# Altium PCB Spectre.PcbDoc (part 1 of 2) (continued)
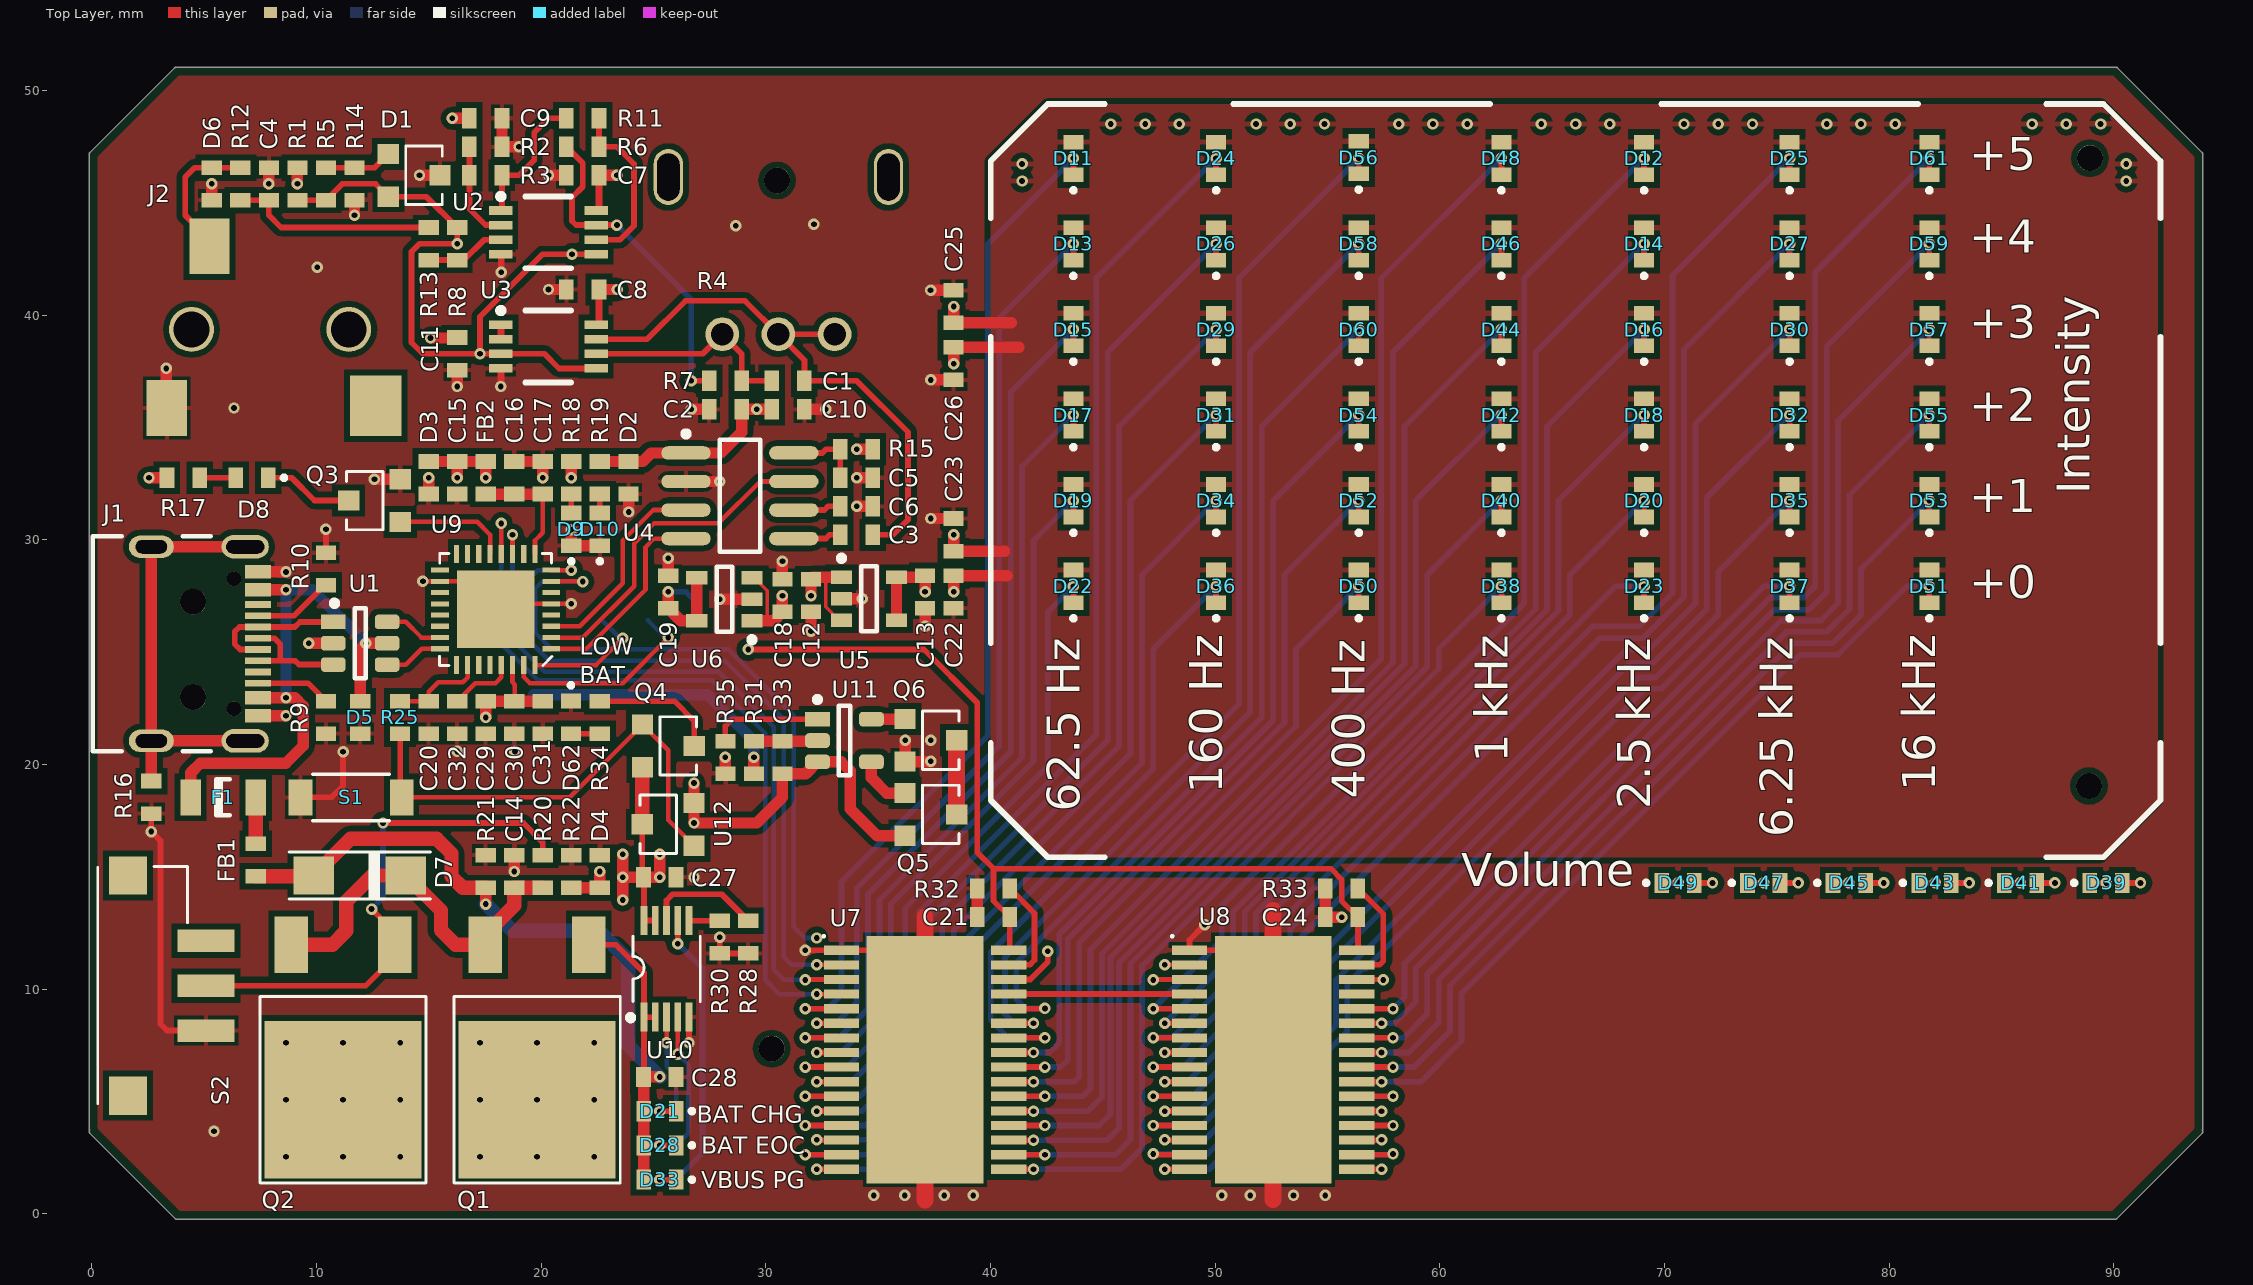
[diagram p0: Top Layer view]
## Components (designator, comment, footprint, x,y, rotation, side; value= is the part's Value field where it differs from the comment)
C1 "5p" 0603 30.988,37.084 r180 top
C2 "0.1u" 0603 28.194,35.814 r180 top
C3 "0.1u" 0603 34.036,30.226 r0 top
C4 "150p" 0603 7.874,45.847 r270 top
C5 "33p" 0603 34.036,32.766 r0 top
C6 "0.1u" 0603 34.036,31.496 r0 top
C7 "0.1u" 0603 21.844,46.228 r0 top
C8 "0.1u" 0603 21.844,41.148 r0 top
C9 "1u" 0603 17.526,48.768 r180 top
C10 "1u" 0603 30.988,35.814 r180 top
C11 "22u" 0603 16.256,38.283 r90 top
C12 "4.7u" 0603 32.004,27.519 r90 top
C13 "4.7u" 0603 37.084,27.686 r90 top
C14 "4.7u" 0603 18.796,15.24 r270 top
C15 "22u" 0603 16.256,32.766 r90 top
C16 "10u" 0603 18.796,32.766 r270 top
C17 "0.1u" 0603 20.066,32.766 r270 top
C18 "4.7u" 0603 30.734,27.519 r270 top
C19 "4.7u" 0603 25.654,27.686 r270 top
C20 "0.1u" 0603 14.986,22.098 r90 top
C21 "0.1u" 0603 40.132,13.208 r0 top
C22 "22u" 0603 38.354,27.686 r90 top
C23 "22u" 0603 38.354,30.226 r270 top
C24 "0.1u" 0603 55.626,13.208 r0 top
C25 "22u" 0603 38.354,40.386 r270 top
C26 "22u" 0603 38.354,37.846 r90 top
C27 "4.7u" 0603 25.273,14.986 r180 top
C28 "4.7u" 0603 25.273,6.096 r180 top
C29 "10u" 0603 17.526,22.098 r90 top
C30 "0.1u" 0603 18.796,22.098 r90 top
C31 "0.1u" 0603 20.066,22.098 r90 top
C32 "1u" 0603 16.256,22.098 r90 top
C33 "0.1u" 0603 30.734,20.32 r90 top
D1 "TLV431AQFTA" SOT-23-3#1 12.539,47.944 r270 top
D2 "RF1256" 0603 23.876,32.766 r90 top
D3 "RF1256" 0603 14.986,32.766 r90 top
D4 "RF1256" 0603 22.606,15.24 r270 top
D5 "RF1256" 0603 11.938,22.098 r90 top
D6 "RF1256" 0603 5.334,45.847 r90 top
D7 "DIODE_SCHOTTKY" SMA 11.938,15.06 r0 top
D8 "RED-LED" "0603 LED" 7.112,32.766 r0 top
D9 "GREEN-LED" "0603 LED" 21.336,30.48 r270 top
D10 "GREEN-LED" "0603 LED" 22.606,30.48 r270 top
D11 "RED-LED" "0603 LED" 43.688,46.99 r270 top
D12 "RED-LED" "0603 LED" 69.088,46.99 r270 top
D13 "ORANGE-LED" "0603 LED" 43.688,43.18 r270 top
D14 "ORANGE-LED" "0603 LED" 69.088,43.18 r270 top
D15 "YELLOW-LED" "0603 LED" 43.688,39.37 r270 top
D16 "YELLOW-LED" "0603 LED" 69.088,39.37 r270 top
D17 "YELLOW-LED" "0603 LED" 43.688,35.56 r270 top
D18 "YELLOW-LED" "0603 LED" 69.088,35.56 r270 top
D19 "GREEN-LED" "0603 LED" 43.688,31.75 r270 top
D20 "GREEN-LED" "0603 LED" 69.088,31.75 r270 top
D21 "ORANGE-LED" "0603 LED" 25.273,4.572 r0 top
D22 "GREEN-LED" "0603 LED" 43.688,27.94 r270 top
D23 "GREEN-LED" "0603 LED" 69.088,27.94 r270 top
D24 "RED-LED" "0603 LED" 50.038,46.99 r270 top
D25 "RED-LED" "0603 LED" 75.565,46.99 r270 top
D26 "ORANGE-LED" "0603 LED" 50.038,43.18 r270 top
D27 "ORANGE-LED" "0603 LED" 75.565,43.18 r270 top
D28 "GREEN-LED" "0603 LED" 25.273,3.048 r0 top
D29 "YELLOW-LED" "0603 LED" 50.038,39.37 r270 top
D30 "YELLOW-LED" "0603 LED" 75.565,39.37 r270 top
D31 "YELLOW-LED" "0603 LED" 50.038,35.56 r270 top
D32 "YELLOW-LED" "0603 LED" 75.565,35.56 r270 top
D33 "RED-LED" "0603 LED" 25.273,1.524 r0 top
D34 "GREEN-LED" "0603 LED" 50.038,31.75 r270 top
D35 "GREEN-LED" "0603 LED" 75.565,31.75 r270 top
D36 "GREEN-LED" "0603 LED" 50.038,27.94 r270 top
D37 "GREEN-LED" "0603 LED" 75.565,27.94 r270 top
D38 "GREEN-LED" "0603 LED" 62.738,27.94 r270 top
D39 "RED-LED" "0603 LED" 89.662,14.732 r180 top
D40 "GREEN-LED" "0603 LED" 62.738,31.75 r270 top
D41 "ORANGE-LED" "0603 LED" 85.852,14.732 r180 top
D42 "YELLOW-LED" "0603 LED" 62.738,35.56 r270 top
D43 "YELLOW-LED" "0603 LED" 82.042,14.732 r180 top
D44 "YELLOW-LED" "0603 LED" 62.738,39.37 r270 top
D45 "YELLOW-LED" "0603 LED" 78.232,14.732 r180 top
D46 "ORANGE-LED" "0603 LED" 62.738,43.18 r270 top
D47 "GREEN-LED" "0603 LED" 74.422,14.732 r180 top
D48 "RED-LED" "0603 LED" 62.738,46.99 r270 top
D49 "GREEN-LED" "0603 LED" 70.612,14.732 r180 top
D50 "GREEN-LED" "0603 LED" 56.388,27.94 r270 top
D51 "GREEN-LED" "0603 LED" 81.788,27.94 r270 top
D52 "GREEN-LED" "0603 LED" 56.388,31.75 r270 top
D53 "GREEN-LED" "0603 LED" 81.788,31.75 r270 top
D54 "YELLOW-LED" "0603 LED" 56.388,35.56 r270 top
D55 "YELLOW-LED" "0603 LED" 81.788,35.56 r270 top
D56 "RED-LED" "0603 LED" 56.388,47.027 r270 top
D57 "YELLOW-LED" "0603 LED" 81.788,39.37 r270 top
D58 "ORANGE-LED" "0603 LED" 56.388,43.18 r270 top
D59 "ORANGE-LED" "0603 LED" 81.788,43.18 r270 top
D60 "YELLOW-LED" "0603 LED" 56.388,39.37 r270 top
D61 "RED-LED" "0603 LED" 81.788,46.99 r270 top
D62 "ORANGE-LED" "0603 LED" 21.32,22.098 r90 top
F1 "FUSE" 1206 5.842,18.542 r0 top
FB1 "Ferrite_Bead" 0603 7.292,15.748 r270 top
FB2 "Ferrite_Bead" 0603 17.526,32.766 r270 top
J1 "USB4105-GF-A" USB4105-GF-A 4.064,25.4 r270 top
J2 "Phonejack3" STX-3500-3NTR 11.43,39.37 r90 top
J3 "JST-PH-SMT" JST-PH-SMT 22.987,21.59 r0 bottom
Q1 "PFET" TO-252-3 19.812,5.08 r180 top
Q2 "PFET" TO-252-3 11.176,5.08 r180 top
Q3 "MOSFET_N" SOT-23 12.573,31.75 r90 top
Q4 "PFET" SOT-23 25.654,20.828 r270 top
Q5 "MOSFET_N" SOT-23 37.338,17.78 r270 top
Q6 "MOSFET_N" SOT-23 37.338,21.082 r270 top
R1 "10k" 0603 9.144,45.847 r270 top
R2 "10k" 0603 17.526,47.498 r0 top
R3 "10k" 0603 17.526,46.228 r180 top
R4 "10k" "ALPS 9mm" 30.554,46.153 r0 top
R5 "10k" 0603 10.414,45.847 r90 top
R6 "10k" 0603 21.844,47.498 r0 top
R7 "2.7k" 0603 28.194,37.084 r180 top
R8 "10k" 0603 16.256,43.18 r90 top
R9 "5.1k" 0603 10.414,22.098 r90 top
R10 "5.1k" 0603 10.414,28.702 r270 top
R11 "10k" 0603 21.844,48.768 r180 top
R12 "330" 0603 6.604,45.847 r90 top
R13 "10k" 0603 14.986,43.18 r90 top
R14 "10k" 0603 11.684,45.847 r270 top
R15 "200k" 0603 34.036,34.036 r0 top
R16 "0" 0603 2.642,18.542 r90 top
R17 "330" 0603 4.064,32.766 r180 top
R18 "330" 0603 21.336,32.766 r90 top
R19 "330" 0603 22.606,32.766 r90 top
R20 "100k" 0603 20.066,15.24 r270 top
R21 "100k" 0603 17.526,15.24 r270 top
R22 "10k" 0603 21.336,15.24 r270 top
R25 "330" 0603 13.716,22.098 r270 top
R26 "330" 0603 25.273,4.572 r180 bottom
R27 "330" 0603 25.273,3.048 r180 bottom
R28 "10k" 0603 29.21,12.319 r270 top
R29 "330" 0603 25.273,1.524 r180 bottom
R30 "2k" 0603 27.94,12.319 r270 top
R31 "330" 0603 29.464,20.32 r270 top
R32 "10k" 0603 40.132,14.478 r0 top
R33 "10k" 0603 55.626,14.478 r0 top
R34 "330" 0603 22.606,22.098 r90 top
R35 "2.7k" 0603 28.194,20.32 r270 top
S1 "GT-TC029B-H025-L1N" GT-TC029B-H025-L1N 11.532,18.542 r0 top
S2 "SS312SAH4-R" SW_SS312SAH4-R 3.555,10.16 r0 top
U1 "USBLC6" SOT-23-6_N 11.938,25.4 r0 top
U2 "AD8072" MSOP-8 20.32,43.688 r270 top
U3 "AD8072" MSOP-8 20.32,38.608 r270 top
U4 "MSGEQ7" MSGEQ7 24.842,28.985 r0 top
U5 "ADP7142AUJZ-3.3-R7" TSOT-23-5 32.512,25.781 r0 top
U6 "ADP7142AUJZ-3.3-R7" TSOT-23-5 30.226,28.956 r180 top
U7 "TLC5947DAPRG4" *SOP65P810X120-32N 37.084,6.858 r0 top
U8 "TLC5947DAPRG4" *SOP65P810X120-32N 52.578,6.858 r0 top
U9 "ATSAMD21E18" "QFN-32 Handsolder" 17.921,26.906 r180 top
U10 "MCP73833T-AMI/MF" MSOP-10 25.575,10.908 r0 top
U11 "AP9101CAK-AKTRG1" SOT-23-5 33.528,21.045 r0 top
U12 "SSP61CC3502MR" SOT-23-3#2 25.4,17.272 r90 top

## Footprints (in the part's own frame and the unit in brackets; to place one, negate y for a bottom-side part, rotate by r counter-clockwise, add the part's x,y. Pads: shape width x height; smd on the part's side, far side on the other; paste and mask are expansions set on the pad)
0603 [mm] "Chip Capacitor; Body 1.6 x 0.8 mm (LxW typ)"
  rect 0.65x0.9 smd mask+0.038: 1(-0.725,0) 2(0.725,0)
  body extent -0.8,-0.4 0.8,0.4, height 0.95
"0603 LED" [mm]
  rect 0.65x0.9 smd mask+0.038: 1(-0.718,0) 2(0.732,0)
  silkscreen extent 1.37,-0.06 1.49,0.06
1206 [mm] "0.126\" L x 0.064\" W x 0.033\" H (3.20mm x 1.63mm x 0.84mm)"
  rect 0.9x1.6 smd mask+0.038: 1(-1.45,0) 2(1.45,0)
  silkscreen extent -0.3,-0.8 0.3,0.8, body extent -1.55,-0.77 1.55,0.77, height 0.84
*SOP65P810X120-32N [mm]
  rect 1.57x0.41 smd: 1(-3.72,4.875) 2(-3.72,4.225) 3(-3.72,3.575) 4(-3.72,2.925) 5(-3.72,2.275) 6(-3.72,1.625) 7(-3.72,0.975) 8(-3.72,0.325) 9(-3.72,-0.325) 10(-3.72,-0.975) 11(-3.72,-1.625) 12(-3.72,-2.275) 13(-3.72,-2.925) 14(-3.72,-3.575) 15(-3.72,-4.225) 16(-3.72,-4.875) 17(3.72,-4.875) 18(3.72,-4.225) 19(3.72,-3.575) 20(3.72,-2.925) 21(3.72,-2.275) 22(3.72,-1.625) 23(3.72,-0.975) 24(3.72,-0.325) 25(3.72,0.325) 26(3.72,0.975) 27(3.72,1.625) 28(3.72,2.275) 29(3.72,2.925) 30(3.72,3.575) 31(3.72,4.225) 32(3.72,4.875)
  rect 5.2x11 smd: 33(0,0)
  silkscreen extent -4.55,5.45 -4.45,5.55
"ALPS 9mm" [mm]
  round 1.5 hole 1: 1(-2.5,-7) 2(0,-7) 3(2.5,-7)
  oval 1.3x2.5 hole 1 slot 2.1 at 90 deg: ""(-4.9,0) ""(4.9,0)
GT-TC029B-H025-L1N [mm]
  rect 1.05x1.6 smd mask+0.064: 1(-2.25,0)
  rect 1.05x1.6 smd mask+0.038: 2(2.25,0)
  silkscreen extent -1.7,-1.05 1.7,1.02
JST-PH-SMT [mm]
  rect 1x5 smd: 1(0.5,2.5) 2(2.5,2.5)
  silkscreen extent -1.5,0.5 4.5,1.5
MSGEQ7 [mm]
  oval 2.2x0.6 smd mask+0.038: 1(1.6,4.885) 2(1.6,3.615) 3(1.6,2.345) 4(1.6,1.075) 5(6.4,1.075) 6(6.4,2.345) 7(6.4,3.615) 8(6.4,4.885)
  silkscreen extent 1.48,0.48 4.9,5.86, body extent 1.05,0.53 7.05,5.43, height 1.75
MSOP-8 [mm]
  rect 0.38x1.04 smd mask+0.038: 1(-0.975,-2.12) 2(-0.325,-2.12) 3(0.325,-2.12) 4(0.975,-2.12) 5(0.975,2.12) 6(0.325,2.12) 7(-0.325,2.12) 8(-0.975,2.12)
  silkscreen extent -1.72,-2.24 1.6,1, body extent -1.55,-2.47 1.55,2.47, height 1.09
MSOP-10 [mm]
  rect 0.3x1.3 smd mask+0.038: 1(-1,-2.15) 2(-0.5,-2.15) 3(0,-2.15) 4(0.5,-2.15) 5(1,-2.15) 6(1,2.15) 7(0.5,2.15) 8(0,2.15) 9(-0.5,2.15) 10(-1,2.15)
  silkscreen extent -1.72,-2.3 1.5,1.45, body extent -1.55,-2.49 1.55,2.57, height 1.09
"QFN-32 Handsolder" [mm]
  rect 0.8x0.23 smd paste+0.038 mask+0.038: 1(-2.523,1.752) 2(-2.523,1.252) 3(-2.523,0.752) 4(-2.523,0.252) 5(-2.523,-0.248) 6(-2.523,-0.748) 7(-2.523,-1.248) 8(-2.523,-1.748) 17(2.427,-1.748) 18(2.427,-1.248) 19(2.427,-0.748) 20(2.427,-0.248) 21(2.427,0.252) 22(2.427,0.752) 23(2.427,1.252) 24(2.427,1.752)
  rect 0.23x0.8 smd paste+0.038 mask+0.038: 9(-1.798,-2.473) 10(-1.298,-2.473) 11(-0.798,-2.473) 12(-0.298,-2.473) 13(0.202,-2.473) 14(0.702,-2.473) 15(1.202,-2.473) 16(1.702,-2.473) 25(1.702,2.477) 26(1.202,2.477) 27(0.702,2.477) 28(0.202,2.477) 29(-0.298,2.477) 30(-0.798,2.477) 31(-1.298,2.477) 32(-1.798,2.477)
  rect 3.45x3.45 smd mask+0.038: 33(-0.048,0.002)
  silkscreen extent -2.55,-2.49 2.45,2.5, body extent -2.55,-2.5 2.45,2.5, height 0.75
SMA [mm]
  rect 1.8x1.7 smd: 1(-2.068,0) 2(2.032,0)
  silkscreen extent -3.17,-1.08 3.13,1.05, body extent -2.74,-1.4 2.74,1.4, height 2.31
SOT-23 [mm] "SOT-23"
  rect 0.9x0.95 smd mask+0.038: 1(-0.95,-1.15) 2(0,1.15) 3(0.95,-1.15)
  silkscreen extent -1.3,-0.38 1.3,1.25, body extent -1.46,-1.27 1.46,1.27, height 0.98
SOT-23-3#1 [mm]
  rect 0.9x0.95 smd mask+0.038: 1(0.765,0.655) 2(2.666,0.655) 3(1.716,2.955)
  silkscreen extent 0.42,1.43 3.02,3.06, body extent 0.31,0.53 3.24,3.07, height 0.98
SOT-23-3#2 [mm]
  rect 0.9x0.95 smd mask+0.038: 1(-0.884,-1.397) 2(1.017,-1.397) 3(0.066,0.903)
  silkscreen extent -1.23,-0.62 1.37,1, body extent -1.33,-1.53 1.59,1.02, height 0.98
SOT-23-5 [mm]
  rect 1.1x0.65 smd mask+0.038: 1(-1.234,0.974)
  rrect50% 1.1x0.65 smd mask+0.038: 2(-1.234,0.024) 3(-1.234,-0.926) 4(1.166,-0.926) 5(1.166,0.974)
  silkscreen extent -1.36,-1.53 0.22,1.97, body extent -1.53,-1.48 1.47,1.52, height 1.47
SOT-23-6_N [mm] "6-Leads, Body 2.9x1.6mm, Pitch 0.95mm, Lead Span 2.7mm, IPC Medium Density"
  rect 1.1x0.65 smd mask+0.038: 1(-1.2,0.95)
  rrect50% 1.1x0.65 smd mask+0.038: 2(-1.2,0) 3(-1.2,-0.95) 4(1.2,-0.95) 5(1.2,0) 6(1.2,0.95)
  silkscreen extent -1.27,-1.55 0.25,1.9, body extent -1.2,-1.4 1.23,1.4, height 1.09
STX-3500-3NTR [mm]
  rect 2.475x1.8 smd: 1(-3.5,8.1) 3(3.7,6.2)
  rect 2.7x2.3 smd: 2(-3.4,-1.2)
  round 2 hole 1.6: ""(0,7) ""(0,0)
SW_SS312SAH4-R [mm]
  rect 2.55x1 smd: 1(1.525,-2) 2(1.525,0) 3(1.525,2)
  rect 1.7x1.7 smd: P$1(-1.95,-4.9) P$2(-1.95,4.9)
  silkscreen extent -3.3,-5.25 0.7,5.3
TO-252-3 [mm] "TO-252-3, DPak (2 Leads + Tab), SC-63"
  rect 1.5x2.5 smd mask+0.038: 1(-2.3,-6.9) 3(2.3,-6.9)
  rect 7x7 smd mask+0.038: 2(0,0)
  silkscreen extent -3.7,-4.6 3.7,3.7, body extent -3.37,-7.4 3.37,2.7, height 2.37
TSOT-23-5 [mm]
  rect 0.95x0.6 smd mask+0.038: 1(0.85,2.55) 2(0.85,1.6) 3(0.85,0.65) 4(3.3,0.65) 5(3.3,2.55)
  silkscreen extent 0.73,0.15 2.42,3.52, body extent 0.5,0.12 3.7,3.02, height 0.94
USB4105-GF-A [mm]
  oval 1.05x2.1 hole 0.6 slot 1.7 at 90 deg: 1(-4.295,2.758) 4(4.345,2.758)
  oval 1x2 hole 0.6 slot 1.4 at 90 deg: 2(-4.295,-1.422) 3(4.345,-1.422)
  rect 0.6x1.15 smd: A1_B12(-3.175,3.333) A4_B9(-2.375,3.333) B1_A12(3.225,3.333) B4_A9(2.425,3.333)
  rect 0.3x1.15 smd: A5(-1.225,3.333) A6(-0.225,3.333) A7(0.275,3.333) A8(1.275,3.333) B5(1.775,3.333) B6(0.775,3.333) B7(-0.725,3.333) B8(-1.725,3.333)
  round 0.65 hole 0.65 unplated: ""(-2.865,2.258) ""(2.915,2.258)
  silkscreen extent -4.76,-4.02 4.82,1.23, body extent -4.79,-3.86 4.79,3.86, height 3.31

## Part data
C1 C2 C3 C4 C5 C6 C7 C8 C9 C10 C11 C12 C13 C14 C15 C16 C17 C18 C19 C20 C21 C22 C23 C24 C25 C26 C27 C28 C29 C30 C31 C32 C33: library part CAP
D1: "Shunt Voltage Reference IC Adjustable 1.24V 18 VV ±1% 15 mA SOT-23-3", Manufacturer="Diodes Incorporated", Part Number=TLV431AQFTA
D2 D3 D4 D5 D6: library part DIODE_TVS_BIDIR, "TVS DIODE BIDIR"
D7: "DIODE SCHOTTKY"
D8 D9 D10 D11 D12 D13 D14 D15 D16 D17 D18 D19 D20 D21 D22 D23 D24 D25 D26 D27 D28 D29 D30 D31 D32 D33 D34 D35 D36 D37 D38 D39 D40 D41 D42 D43 D44 D45 D46 D47 D48 D49 D50 D51 D52 D53 D54 D55 D56 D57 D58 D59 D60 D61 D62: library part SMT-LED
FB1 FB2: "Ferrite Bead"
J1: "USB-C (USB TYPE-C) USB 2.0 Receptacle Connector 24 (16+8 Dummy) Position Surface Mount, Right Angle; Through Hole", Manufacturer=GCT, Part Number=USB4105-GF-A
J2: "Jack Socket, 1/4\" [6.5mm], Thru-Hole, Vertical, 3-Conductor Open Circuit (Non-Normalling)", PackageDocument=2003, ComponentLink1Description="Manufacturer Link", ComponentLink1URL=http://www.cliffuk.co.uk/, DatasheetDocument=2003, DrillAndSlotSize="Corresponds to nominal value.", LatestRevisionDate=15-Jul-2004, LatestRevisionNote="Component Replaced.", PackageReference=S1VS_SSS, PCB_Layout="Complies with manufacturer's recommendation.", Published=15-Jul-2004, Publisher="Altium Limited"
Q1 Q2 Q4: library part MOSFET_P, "MOSFET, P CH, 3-PIN"
Q3 Q5 Q6: "MOSFET, N CH, 3-PIN"
R1 R2 R3 R5 R6 R7 R8 R9 R10 R11 R12 R13 R14 R15 R16 R17 R18 R19 R20 R21 R22 R25 R26 R27 R28 R29 R30 R31 R32 R33 R34 R35: library part RES, "RESISTOR"
R4: library part "Adafruit 356", "10 kOhms - PC Pin Through Hole Trimmer Potentiometer - Turn Top Adjustment", Manufacturer="Adafruit Industries LLC", Part Number=356
S2: "Slide Switch SPDT Surface Mount, Right Angle", Manufacturer="NKK Switches", Part Number=SS312SAH4-R
U1: library part USBLC6-2SC6, "IC ESD PROTECTION LO CAP SOT23-6", Manufacturer=STMicroelectronics, Part Number=USBLC6-2SC6
U2 U3: "IC OPAMP VIDEO DUAL 8MSOP", Manufacturer="Analog Devices Inc.", Part Number=AD8072ARMZ
U10: "Charger IC Lithium Ion/Polymer 10-DFN _3x3_", Package="DFN-10 Microchip", Availability=Unavailable, MF=Microchip, MP=MCP73833T-AMI/MF, Price=None, SnapEDA_Link=https://www.snapeda.com/parts/MCP73833T-AMI/MF/Microchip/view-part/1192592/?ref=snap
U12: library part SSP61C

## Free pads (board coordinates)
  round 1.524 smd far side: 2(22.718,26.414) 2(24.75,26.414) 2(26.782,26.414) 2(28.814,26.414)
  round 1.152 hole 1.152 unplated: TH(4.5,23) TH(4.5,27.25) TH(30.255,7.351) TH(30.5,46) TH(88.893,19.05) TH(88.93,46.99)

## Via types
v1: diameter 0.508, hole 0.254, Top Layer to Bottom Layer, tented both sides, 253 vias
v2: diameter 0.508, hole 0.254, Top Layer to Bottom Layer, tented bottom, 18 vias

## Nets (pads, with @x,y where several pads share a name; then routed paths per layer and width w, separated by ;. In a path a pad name is that pad's centre, name@x,y a point inside that pad or via, vN(x,y) a via of type N, cw(c..) or ccw(c..) an arc to the next point about the centre after c; other vN are vias at no path point)
3.3VA: C2.1 C7.2 C8.2 C9.2 C10.2 C11.2 C13.2 D2.2 R1.1 R15.2 R19.2 U2.8 U3.8 U4.1 U5.4 U5.5 | length 21.4
  Top Layer w0.305: C11.2@16.219,39.045 C11.2@16.256,39.008 ; U3.8@22.44,39.583 22.569,39.712 C8.2@22.569,41.148 ; U2.8@22.44,44.663 22.569,44.792 C7.2@22.569,46.228
  Top Layer w0.508: v1(9.144,45.847) R1.1@9.144,46.572 ; v1(15.07,38.989) 16.237,38.989 C11.2@16.256,39.008 ; v1(16.039,48.768) C9.2@16.801,48.768 ; C8.2@22.569,41.148 v1(23.376,41.148) ; C7.2@22.569,46.228 v1(23.368,46.228) ; R19.2@22.606,33.491 D2.2@23.876,33.491 24.513,33.491 24.892,33.87 U4.1@26.442,33.87 27.992,33.87 28.919,34.797 C2.1@28.919,35.814 v1(29.591,35.814) C10.2@30.263,35.814 ; v1(34.036,34.036) R15.2@34.761,34.036 ; U5.4@35.812,26.431 U5.5@35.812,28.331 37.004,28.331 C13.2@37.084,28.411 v1(37.084,27.686)
3.3VD: C15.2 C19.2 C21.2 C24.2 C29.2 C30.2 C31.2 D3.2 FB2.1 pad.2@26.782,26.414 R17.2 R18.2 U6.4 U6.5 U7.32 U8.32 U9.30 | length 58.8
  Top Layer w0.203: U9.30@18.719,24.429 18.719,23.667 18.827,23.559 C30.2@18.827,22.823
  Top Layer w0.254: v1(29.21,25.125) 37.03,25.125 39.407,22.748 39.407,16.092 40.132,15.367 ; U7.32@40.804,11.733 40.857,11.786 C21.2@40.857,13.208 40.132,13.933 40.132,15.367 ; U8.32@56.298,11.733 56.351,11.786 C24.2@56.351,13.208 55.626,13.933 55.626,14.887 55.146,15.367 40.132,15.367
  Top Layer w0.508: v1(2.54,32.766) R17.2@3.339,32.766 ; D3.2@14.986,33.491 C15.2@16.256,33.491 ; v1(16.256,32.766) C15.2@16.256,33.491 ; v1(17.526,22.098) C29.2@17.526,22.823 C30.2@18.796,22.823 18.827,22.823 C31.2@20.066,22.823 C31.2@20.1,22.823 ; v1(17.526,32.766) FB2.1@17.526,33.491 C15.2@16.256,33.491 ; v1(21.336,32.766) R18.2@21.336,33.491 ; v1(25.654,27.686) C19.2@25.654,26.961 26.209,26.406 U6.5@26.926,26.406 U6.4@26.926,28.306
  Bottom Layer w0.254: v1(25.654,27.686) 26.441,27.686 26.782,27.346 pad.2@26.782,26.414
3.3VD_CLEAN: C16.2 C17.2 FB2.2 U9.9 | length 5.3
  Top Layer w0.203: U9.9@19.719,29.379 19.719,29.972 20.066,30.319 C17.2@20.066,32.041
  Top Layer w0.508: FB2.2@17.526,32.041 C16.2@18.796,32.041 C17.2@20.066,32.041
ADC_IN: U4.3 U9.3 | length 9.3
  Top Layer w0.203: U9.3@20.444,26.154 21.719,26.154 23.632,28.067 23.632,29.972 24.99,31.33 U4.3@26.442,31.33
AUDIO: C1.1 C3.2 R4.2 R4.3 U3.7 | length 25.8
  Top Layer w0.254: U3.7@22.44,38.933 24.709,38.933 26.416,40.64 29.067,40.64 R4.2@30.554,39.153 ; R4.3@32.766,39.153 R4.2@30.554,39.153 ; C3.2@34.761,30.226 35.648,30.226 36.322,30.9 36.322,34.798 34.036,37.084 C1.1@31.713,37.084 31.713,37.994 R4.2@30.554,39.153
  Top Layer w0.508: R4.3@32.766,39.153 R4.3@33.054,39.153
BAT-: C33.1 J3.2 Q5.3 U11.3 U12.2 | length 15.3
  Top Layer w0.508: v1(26.797,19.177) U12.2@26.797,18.289 v1(26.797,17.399) 29.591,17.399 30.734,18.542 C33.1@30.734,19.595 31.77,19.595 U11.3@32.294,20.119 33.346,20.119 33.744,19.721 33.744,18.034 34.948,16.83 Q5.3@36.188,16.83
BLANK: U7.2 U8.2 U9.8 | length 48.5
  Top Layer w0.203: U9.8@20.444,28.654 v1(21.336,28.654) ; v1@32.289,11.083 U7.2@33.364,11.083 ; v1(47.752,11.083) U8.2@48.858,11.083
  PWR w0.203: v1(32.258,11.083) v1(47.752,11.083)
  Bottom Layer w0.203: v1(21.336,28.654) 19.839,28.654 19.219,28.034 19.219,25.756 20.35,24.625 28.178,24.625 30.792,22.01 30.792,11.436 31.145,11.083 v1(32.258,11.083)
BUS_CC1: J1.A5 R10.2 | length 3.6
  Top Layer w0.254: J1.A5@7.397,26.625 8.991,26.625 10.343,27.977 R10.2@10.414,27.977
BUS_CC2: J1.B5 R9.2 | length 3.3
  Top Layer w0.254: J1.B5@7.397,23.625 9.612,23.625 R9.2@10.414,22.823
BUS_D_MINUS: U1.6 U9.23 | length 2.6
  Top Layer w0.203: U1.6@13.462,26.35 13.97,26.35 14.666,25.654 U9.23@15.494,25.654
  Top Layer w0.254: U1.6@13.138,26.35 U1.6@13.462,26.35
BUS_D_PLUS: U1.4 U9.24 | length 2.6
  Top Layer w0.203: U1.4@13.138,24.45 13.97,24.45 14.674,25.154 U9.24@15.494,25.154
DRV_CLK: U7.3 U8.3 U9.11 | length 49.9
  Top Layer w0.203: U9.11@18.719,29.379 v1(18.719,30.226) ; v1(31.75,10.414) 31.769,10.433 U7.3@33.364,10.433 ; v1(47.244,10.414) 47.263,10.433 U8.3@48.858,10.433
  PWR w0.203: v1(31.75,10.414) v1(47.244,10.414)
  Bottom Layer w0.203: v1(18.719,30.226) 18.719,25.551 20.145,24.125 27.898,24.125 30.353,21.67 30.353,10.859 30.798,10.414 v1(31.75,10.414)
GND: C2.2 C4.1 C5.2 C6.2 C7.1 C8.1 C9.1 C10.1 C11.1 C12.1 C13.1 C14.1 C15.1 C16.1 C17.1 C18.1 C19.1 C20.1 C21.1 C22.1 C23.1 C24.1 C25.1 C26.1 C27.1 C28.1 C29.1 C30.1 C31.1 C32.1 D1.3 D2.1 D3.1 D4.1 D5.1 D6.1 D9.2 D10.2 D62.2 J1.A1_B12 J1.B1_A12 J2.1 pad.2@28.814,26.414 Q3.3 Q6.3 R2.2 R9.1 R10.1 R14.2 R16.1 R21.1 R22.1 R28.2 R30.2 R32.1 R33.1 R35.2 S1.1 S2.1 U1.2 U2.4 U3.4 U4.2 U5.2 U6.2 U7.1 U7.33 U8.1 U8.33 U9.5 U9.18 U9.33 U10.5 | length 99.5
  Top Layer w0.203: v1(14.732,28.154) U9.18@15.494,28.154 16.719,28.154 U9.33@17.969,26.904 18.219,27.154 U9.5@20.444,27.154 v1(21.336,27.154)
  Top Layer w0.254: R16.1@2.642,17.817 v1(2.642,17.018) 3.048,16.612 3.048,8.451 3.339,8.16 S2.1@5.08,8.16 ; S1.1@9.282,18.542 10.668,18.542 11.176,19.05 v1(11.176,20.574) v1@11.176,20.611 ; R9.1@10.414,21.336 R9.1@10.414,21.373 ; R10.1@10.414,29.427 v1(10.414,30.48) ; v1(26.575,7.62) U10.5@26.575,8.758 ; v1(27.94,12.319) R30.2@27.94,11.594 R28.2@29.21,11.594 ; v1(31.75,11.733) U7.1@33.364,11.733 U7.33@34.798,11.733 ; v1(49.53,12.868) 48.858,12.196 U8.1@48.858,11.733 50.366,11.733 U8.33@50.419,11.786
  Top Layer w0.305: v1(18.2,36.83) U3.4@18.2,37.633 ; U2.4@18.2,42.713 18.219,42.694 v1(18.219,41.91)
  Top Layer w0.508: v1(3.302,37.633) 3.302,35.898 J2.1@3.33,35.87 ; D6.1@5.334,45.122 v1(5.334,45.847) ; J1.B1_A12@7.397,22.175 v1(8.636,22.175) ; J1.A1_B12@7.397,28.575 v1(8.636,28.575) ; v1(7.874,45.847) C4.1@7.874,46.572 ; v1(9.652,25.4) U1.2@10.738,25.4 ; v1(11.684,44.45) R14.2@11.684,45.122 ; v1(12.573,32.7) Q3.3@13.723,32.7 ; v1(14.58,46.228) D1.3@15.494,46.228 ; D3.1@14.986,32.041 v1(14.986,32.766) ; v1(16.256,36.83) C11.1@16.256,37.558 ; C9.1@18.251,48.768 R2.2@18.251,47.498 v1(19.008,47.498) ; v1(18.796,15.24) C14.1@18.796,15.965 ; C16.1@18.796,33.491 C17.1@20.066,33.491 v1(20.066,32.766) ; v1(20.32,41.148) C8.1@21.119,41.148 ; v1(20.32,46.228) C7.1@21.119,46.228 ; v1(21.336,30.45) D9.2@21.336,29.748 D10.2@22.606,29.748 ; D2.1@23.876,32.041 23.89,32.027 v1(23.89,31.242) ; C19.1@25.654,28.411 v1(25.654,29.181) ; U4.2@26.442,32.6 v1(27.94,32.6) ; v1(26.67,35.814) C2.2@27.469,35.814 ; v1(27.94,27.356) U6.2@29.376,27.356 ; R35.2@28.194,19.595 v1(28.194,20.32) ; C18.1@30.734,28.244 v1(30.734,29.048) ; C10.1@31.713,35.814 v1(32.657,35.814) ; v1(32.004,25.933) C12.1@32.004,26.794 ; U5.2@33.362,27.381 v1(34.29,27.381) ; v1(34.036,31.496) C6.2@34.761,31.496 ; v1(34.036,32.766) C5.2@34.761,32.766 ; v1(36.195,21.082) 36.195,20.139 Q6.3@36.188,20.132 37.328,20.132 v1(37.338,20.142) ; v1(37.084,26.162) C13.1@37.084,26.961 ; v1(37.328,41.111) C25.1@38.354,41.111 ; v1(37.338,30.951) C23.1@38.354,30.951 ; v1(37.338,37.121) C26.1@38.354,37.121 ; C21.1@39.407,13.208 R32.1@39.407,14.478 ; R33.1@54.901,14.478 C24.1@54.901,13.208 v1(55.626,13.208)
  Top Layer w0.762: 37.084,0.626 U7.33@37.084,6.858 37.084,13.208 ; 52.578,0.631 U8.33@52.578,6.858 52.578,13.501
  Bottom Layer w0.254: v1@27.94,27.288 v1(27.94,27.356)
  other v1: 34.798,0.82 36.175,0.82 37.944,0.82 39.228,0.82 50.292,0.82 51.562,0.82 53.482,0.82 54.901,0.82 5.431,3.671 26.797,14.986 16.256,20.585 18.827,20.585 37.338,21.082 6.32,35.87 10.033,42.138 28.651,43.988 32.136,44.052
LATCH: U7.30 U8.30 U9.7 | length 59.5
  Top Layer w0.203: U9.7@20.444,28.154 v1@21.828,28.154 ; U8.30@56.298,10.433 57.465,10.433 v1(57.485,10.414)
  Top Layer w0.254: U7.30@40.804,10.433 41.768,10.433 42.545,11.21 v1(42.545,11.684)
  PWR w0.203: v1(32.258,12.28) 41.834,12.28 42.43,11.684 v1(42.545,11.684) 42.591,11.684 43.18,12.273 55.626,12.273 v1(57.485,10.414)
  Bottom Layer w0.203: v1(21.844,28.146) 20.05,28.146 19.722,27.818 19.722,25.876 20.473,25.125 28.317,25.125 31.242,22.2 31.242,12.77 31.732,12.28 v1(32.258,12.28)
MCU_ACTIVE: Q3.1 U9.13 | length 5.1
  Top Layer w0.203: Q3.1@13.723,30.8 17.145,30.8 17.719,30.226 U9.13@17.719,29.379
MSG_CLK: U4.4 U9.1 | length 9.1
  Top Layer w0.203: U9.1@20.444,25.154 22.011,25.154 24.638,27.781 24.638,29.681 25.017,30.06 U4.4@26.442,30.06
MSG_RST: U4.7 U9.2 | length 14.8
  Top Layer w0.203: U9.2@20.444,25.654 21.844,25.654 24.13,27.94 24.13,29.845 25.019,30.734 27.876,30.734 29.742,32.6 U4.7@31.242,32.6
NetC1_2: C1.2 R4.1 R7.1 U3.6 | length 9.7
  Top Layer w0.254: U3.6@22.44,38.283 27.184,38.283 R4.1@28.054,39.153 28.919,38.288 R7.1@28.919,37.084 C1.2@30.263,37.084
NetC3_1: C3.1 U4.5 | length 2.1
  Top Layer w0.254: U4.5@31.242,30.06 32.67,30.06 32.836,30.226 C3.1@33.311,30.226
NetC4_2: C4.2 R12.1 R13.2 | length 9.3
  Top Layer w0.254: R12.1@6.604,45.122 C4.2@7.874,45.122 7.874,44.45 8.419,43.905 R13.2@14.986,43.905
NetC5_1: C5.1 R15.1 U4.8 | length 3.4
  Top Layer w0.254: U4.8@31.242,33.87 32.504,33.87 32.67,34.036 R15.1@33.311,34.036 C5.1@33.311,32.766
NetC6_1: C6.1 U4.6 | length 2.1
  Top Layer w0.254: U4.6@31.242,31.33 32.6,31.33 32.766,31.496 C6.1@33.311,31.496
NetC14_2: C14.2 D7.2 Q1.3 Q2.3 R20.2 | length 16.3
  Top Layer w0.635: Q2.3@8.876,11.98 10.703,11.98 11.323,12.6 11.323,13.903 12.48,15.06 D7.2@13.97,15.06 15.531,13.499 15.531,12.626 16.177,11.98 Q1.3@17.512,11.98 ; Q1.3@17.512,12.446 18.796,13.73 C14.2@18.796,14.515 R20.2@20.066,14.515
NetC32_2: C32.2 U9.29 | length 3
  Top Layer w0.203: C32.2@16.256,22.823 17.055,23.622 17.962,23.622 18.219,23.879 U9.29@18.219,24.429
NetC33_2: C33.2 R31.1 U11.2 | length 2.8
  Top Layer w0.508: R31.1@29.464,21.045 C33.2@30.734,21.045 32.27,21.045 U11.2@32.294,21.069
NetD1_1: D1.1 R5.2 R14.1 | length 3
  Top Layer w0.254: R5.2@10.414,46.572 R14.1@11.684,46.572 12.588,46.572 D1.1@13.194,47.178
NetD6_2: D6.2 J2.3 R12.2 | length 6.3
  Top Layer w0.254: J2.3@5.334,43.174 J2.3@5.23,43.07 5.23,43.372 4.153,44.449 4.153,46.153 4.572,46.572 D6.2@5.334,46.572 R12.2@6.604,46.572
NetD8_1: D8.1 R17.1 | length 1.6
  Top Layer w0.254: R17.1@4.789,32.7 R17.1@4.808,32.681 ; R17.1@4.789,32.766 D8.1@6.394,32.766
NetD8_2: D8.2 Q3.2 | length 4
  Top Layer w0.254: D8.2@7.844,32.766 8.89,32.766 9.906,31.75 Q3.2@11.423,31.75
NetD9_1: D9.1 R18.1 | length 0.8
  Top Layer w0.254: D9.1@21.336,31.198 R18.1@21.336,32.041
NetD10_1: D10.1 R19.1 | length 0.8
  Top Layer w0.254: D10.1@22.606,31.198 R19.1@22.606,32.041
NetD11_2: D11.2 U7.5 | length 45.7
  Top Layer w0.254: v1(31.75,9.133) U7.5@33.364,9.133 ; D11.2@43.688,46.258 v1(43.688,46.99)
  Bottom Layer w0.254: v1(31.75,9.133) 32.755,9.133 33.364,9.742 33.364,14.783 39.878,21.297 39.878,43.18 v1(43.688,46.99)
NetD12_2: D12.2 U8.5 | length 49.3
  Top Layer w0.254: v1(47.244,9.133) U8.5@48.858,9.133 ; D12.2@69.088,46.258 v1(69.088,46.99)
  Bottom Layer w0.254: v1(47.244,9.133) 50.292,12.181 50.292,13.716 63.754,27.178 63.754,41.656 v1(69.088,46.99)
NetD13_2: D13.2 U7.6 | length 41.8
  Top Layer w0.254: v1(32.258,8.483) U7.6@33.364,8.483 ; D13.2@43.688,42.448 v1(43.688,43.18)
  Bottom Layer w0.254: v1(32.258,8.483) 33.121,8.483 34.036,9.398 34.036,14.489 40.386,20.839 40.386,39.878 v1(43.688,43.18)
NetD14_2: D14.2 U8.6 | length 45.4
  Top Layer w0.254: v1(47.752,8.483) U8.6@48.858,8.483 ; D14.2@69.088,42.448 v1(69.088,43.18)
  Bottom Layer w0.254: v1(47.752,8.483) 50.8,11.531 50.8,13.462 64.262,26.924 64.262,38.354 v1(69.088,43.18)
NetD15_2: D15.2 U7.7 | length 39.7
  Top Layer w0.254: v1(31.75,7.833) U7.7@33.364,7.833 ; D15.2@43.688,38.638 v1(43.688,39.37)
  Bottom Layer w0.254: v1(31.75,7.833) 33.244,7.833 34.544,9.133 34.544,14.224 40.894,20.574 40.894,36.576 v1(43.688,39.37)
NetD16_2: D16.2 U8.7 | length 43.4
  Top Layer w0.254: v1(47.244,7.848) 47.259,7.833 U8.7@48.858,7.833 U8.7@48.843,7.848 ; D16.2@69.088,38.638 v1(69.088,39.37)
  Bottom Layer w0.254: v1(47.244,7.848) 48.074,7.848 51.308,11.082 51.308,13.431 64.77,26.893 64.77,35.052 v1(69.088,39.37)
NetD17_2: D17.2 U7.8 | length 35.6
  Top Layer w0.254: v1(32.258,7.183) U7.8@33.364,7.183 ; D17.2@43.688,34.828 v1(43.688,35.56)
  Bottom Layer w0.254: v1(32.258,7.183) 33.345,7.183 35.052,8.89 35.052,13.97 41.402,20.32 41.402,33.274 v1(43.688,35.56)
NetD18_2: D18.2 U8.8 | length 39.4
  Top Layer w0.254: v1(47.752,7.183) U8.8@48.858,7.183 ; D18.2@69.088,34.828 v1(69.088,35.56)
  Bottom Layer w0.254: v1(47.752,7.183) 48.331,7.183 51.816,10.668 51.816,13.4 65.278,26.862 65.278,31.75 v1(69.088,35.56)
NetD19_2: D19.2 U7.9 | length 33.6
  Top Layer w0.254: v1(31.75,6.533) U7.9@33.364,6.533 ; D19.2@43.688,31.018 v1(43.688,31.75)
  Bottom Layer w0.254: v1(31.75,6.533) 33.61,6.533 35.56,8.483 35.56,13.79 41.91,20.14 41.91,29.972 v1(43.688,31.75)
NetD20_2: D20.2 U8.9 | length 37.4
  Top Layer w0.203: D20.2@69.088,31.018 v1(69.088,31.75)
  Top Layer w0.254: v1(47.244,6.533) U8.9@48.858,6.533
  Bottom Layer w0.254: v1(47.244,6.533) 48.57,6.533 52.324,10.287 52.324,13.208 65.786,26.67 65.786,28.448 v1(69.088,31.75)
NetD21_2: D21.2 R26.2 | length 1.5
  Top Layer w0.254: v1(25.273,4.572) D21.2@26.005,4.572
  Bottom Layer w0.254: R26.2@24.548,4.572 v1(25.273,4.572)
NetD22_2: D22.2 U7.10 | length 29.5
  Top Layer w0.254: v1(32.258,5.883) U7.10@33.364,5.883 ; D22.2@43.688,27.208 v1(43.688,27.94)
  Bottom Layer w0.254: v1(32.258,5.883) 33.823,5.883 36.195,8.255 36.195,13.589 42.545,19.939 42.545,26.797 v1(43.688,27.94)
NetD23_2: D23.2 U8.10 | length 34.1
  Top Layer w0.254: v1(47.752,5.883) U8.10@48.858,5.883 ; D23.2@69.088,27.208 v1(69.088,27.94)
  Bottom Layer w0.254: v1(47.752,5.883) 48.768,5.883 52.832,9.947 52.832,12.954 67.818,27.94 v1(69.088,27.94)
NetD24_2: D24.2 U7.11 | length 53.1
  Top Layer w0.254: v1(31.75,5.233) U7.11@33.364,5.233 ; D24.2@50.038,46.258 v1(50.038,46.99)
  Bottom Layer w0.254: v1(31.75,5.233) 34.189,5.233 36.83,7.874 36.83,13.462 44.704,21.336 44.704,41.656 v1(50.038,46.99)
NetD25_2: D25.2 U8.11 | length 58.1
  Top Layer w0.254: v1(47.244,5.233) U8.11@48.858,5.233 ; D25.2@75.565,46.258 v1(75.565,46.99)
  Bottom Layer w0.254: v1(47.244,5.233) 48.992,5.233 53.34,9.581 53.34,12.7 66.802,26.162 68.885,26.162 70.358,27.635 70.358,41.783 v1(75.565,46.99)
NetD26_2: D26.2 U7.12 | length 49
  Top Layer w0.254: v1(32.258,4.572) 32.269,4.583 U7.12@33.364,4.583 ; D26.2@50.038,42.448 v1(50.038,43.18)
  Bottom Layer w0.254: v1(32.258,4.572) 34.29,4.572 37.328,7.61 37.328,13.198 45.212,21.082 45.212,38.354 v1(50.038,43.18)
NetD27_2: D27.2 U8.12 | length 54
  Top Layer w0.254: v1(47.752,4.572) 47.763,4.583 U8.12@48.858,4.583 ; D27.2@75.565,42.448 v1(75.565,43.18)
  Bottom Layer w0.254: v1(47.752,4.572) 49.276,4.572 53.848,9.144 53.848,12.358 67.115,25.625 69.033,25.625 70.866,27.457 70.866,38.481 v1(75.565,43.18)
NetD28_2: D28.2 R27.2 | length 1.5
  Top Layer w0.254: v1(25.273,3.048) D28.2@26.005,3.048
  Bottom Layer w0.254: R27.2@24.548,3.048 v1(25.273,3.048)
NetD29_2: D29.2 U7.13 | length 46.9
  Top Layer w0.254: v1(31.75,3.933) U7.13@33.364,3.933 ; D29.2@50.038,38.638 v1(50.038,39.37)
  Bottom Layer w0.254: v1(31.75,3.933) 34.413,3.933 37.846,7.366 37.846,12.954 45.72,20.828 45.72,35.052 v1(50.038,39.37)
NetD30_2: D30.2 U8.13 | length 51.4
  Top Layer w0.254: v1(47.244,3.933) U8.13@48.858,3.933 ; D30.2@75.565,38.638 v1(75.565,39.37)
  Bottom Layer w0.254: v1(47.244,3.933) 49.399,3.933 54.356,8.89 54.356,11.176 68.305,25.125 69.321,25.125 71.374,27.178 71.374,35.179 v1(75.565,39.37)
NetD31_2: D31.2 U7.14 | length 42.8
  Top Layer w0.254: v1(32.258,3.302) 32.277,3.283 U7.14@33.364,3.283 ; D31.2@50.038,34.828 v1(50.038,35.56)
  Bottom Layer w0.254: v1(32.258,3.302) 34.544,3.302 38.354,7.112 38.354,12.608 46.228,20.482 46.228,31.75 v1(50.038,35.56)
NetD32_2: D32.2 U8.14 | length 47.3
  Top Layer w0.254: v1(47.752,3.302) 47.771,3.283 U8.14@48.858,3.283 ; D32.2@75.565,34.828 v1(75.565,35.56)
  Bottom Layer w0.254: v1(47.752,3.302) 49.53,3.302 54.864,8.636 54.864,10.922 68.48,24.538 69.496,24.538 71.882,26.924 71.882,31.877 v1(75.565,35.56)
NetD33_2: D33.2 R29.2 | length 1.5
  Top Layer w0.254: v1(25.273,1.524) D33.2@26.005,1.524
  Bottom Layer w0.254: R29.2@24.548,1.524 v1(25.273,1.524)
NetD34_2: D34.2 U7.15 | length 40.7
  Top Layer w0.254: v1(31.75,2.633) U7.15@33.364,2.633 ; D34.2@50.038,31.018 v1(50.038,31.75)
  Bottom Layer w0.254: v1(31.75,2.633) 34.637,2.633 38.862,6.858 38.862,12.192 46.736,20.066 46.736,28.448 v1(50.038,31.75)
NetD35_2: D35.2 U8.15 | length 45
  Top Layer w0.254: v1(47.244,2.667) 47.278,2.633 U8.15@48.858,2.633 ; D35.2@75.565,31.018 v1(75.565,31.75)
  Bottom Layer w0.254: v1(47.244,2.667) 49.657,2.667 55.372,8.382 55.372,10.414 68.834,23.876 69.596,23.876 72.39,26.67 72.39,28.575 v1(75.565,31.75)
NetD36_2: D36.2 U7.16 | length 36.6
  Top Layer w0.254: v1(32.258,1.983) U7.16@33.364,1.983 ; D36.2@50.038,27.208 v1(50.038,27.94)
  Bottom Layer w0.254: v1(32.258,1.983) 34.749,1.983 39.37,6.604 39.37,11.938 47.244,19.812 47.244,25.146 v1(50.038,27.94)
NetD37_2: D37.2 U8.16 | length 41.6
  Top Layer w0.254: v1(47.752,1.983) U8.16@48.858,1.983 ; D37.2@75.565,27.208 v1(75.565,27.94)
  Bottom Layer w0.254: v1(47.752,1.983) 49.735,1.983 55.88,8.128 55.88,10.236 56.566,10.922 56.693,10.922 69.139,23.368 69.85,23.368 74.422,27.94 v1(75.565,27.94)
NetD38_2: D38.2 U7.17 | length 38.7
  Top Layer w0.254: U7.17@40.804,1.983 v1(41.91,1.983) ; D38.2@62.738,27.208 v1(62.738,27.94)
  Bottom Layer w0.254: v1(41.91,1.983) 45.798,1.983 46.736,2.921 46.736,11.04 59.944,24.248 59.944,25.146 v1(62.738,27.94)
NetD39_2: D39.2 U8.17 | length 39.4
  Top Layer w0.254: U8.17@56.298,1.983 v1(57.404,1.983) ; D39.2@88.93,14.732 v1(89.662,14.732)
  PWR w0.254: v1(57.404,1.983) 76.913,1.983 v1(89.662,14.732)
NetD40_2: D40.2 U7.18 | length 41.7
  Top Layer w0.254: U7.18@40.804,2.633 v1(42.418,2.633) ; D40.2@62.738,31.018 v1(62.738,31.75)
  Bottom Layer w0.254: v1(42.418,2.633) 45.559,2.633 46.228,3.302 46.228,11.145 59.436,24.353 59.436,28.448 v1(62.738,31.75)
NetD41_2: D41.2 U8.18 | length 35.3
  Top Layer w0.254: U8.18@56.298,2.633 57.878,2.633 v1(57.912,2.667) ; D41.2@85.12,14.732 v1(85.839,14.732)
  PWR w0.254: v1(57.912,2.667) 73.774,2.667 v1(85.839,14.732)
NetD42_2: D42.2 U7.19 | length 44.7
  Top Layer w0.254: U7.19@40.804,3.283 v1(41.91,3.283) ; D42.2@62.738,34.828 v1(62.738,35.56)
  Bottom Layer w0.254: v1(41.91,3.283) 45.193,3.283 45.72,3.81 45.72,11.176 58.928,24.384 58.928,31.75 v1(62.738,35.56)
NetD43_2: D43.2 U8.19 | length 31.2
  Top Layer w0.254: U8.19@56.298,3.283 57.385,3.283 v1(57.404,3.302) ; D43.2@81.31,14.732 82.033,14.732 v1(82.042,14.741)
  PWR w0.254: v1(57.404,3.302) 70.603,3.302 v1(82.042,14.741)
NetD44_2: D44.2 U7.20 | length 47.6
  Top Layer w0.254: U7.20@40.804,3.933 v1(42.418,3.933) ; D44.2@62.738,38.638 v1(62.738,39.37)
  Bottom Layer w0.254: v1(42.418,3.933) 44.827,3.933 45.339,4.445 45.339,11.407 58.42,24.488 58.42,35.052 v1(62.738,39.37)
NetD45_2: D45.2 U8.20 | length 27.1
  Top Layer w0.254: U8.20@56.298,3.933 v1(57.912,3.933) ; D45.2@77.5,14.732 78.192,14.732 v1(78.201,14.741)
  PWR w0.254: v1(57.912,3.933) 67.393,3.933 v1(78.201,14.741)
NetD46_2: D46.2 U7.21 | length 50.5
  Top Layer w0.254: U7.21@40.804,4.583 41.899,4.583 v1(41.91,4.572) ; D46.2@62.738,42.448 v1(62.738,43.18)
  Bottom Layer w0.254: v1(41.91,4.572) 44.323,4.572 44.958,5.207 44.958,11.584 57.912,24.538 57.912,38.354 v1(62.738,43.18)
NetD47_2: D47.2 U8.21 | length 23.1
  Top Layer w0.254: U8.21@56.298,4.583 57.393,4.583 v1(57.404,4.572) ; D47.2@73.69,14.732 v1(74.422,14.732)
  PWR w0.254: v1(57.404,4.572) 64.262,4.572 v1(74.422,14.732)
NetD48_2: D48.2 U7.22 | length 53.5
  Top Layer w0.254: U7.22@40.804,5.233 v1(42.418,5.233) ; D48.2@62.738,46.258 v1(62.738,46.99)
  Bottom Layer w0.254: v1(42.418,5.233) 44.103,5.233 44.45,5.58 44.45,11.759 57.385,24.694 57.385,41.637 v1(62.738,46.99)
NetD49_2: D49.2 U8.22 | length 19
  Top Layer w0.254: U8.22@56.298,5.233 v1(57.912,5.233) ; D49.2@69.88,14.732 70.603,14.732 v1(70.612,14.741)
  PWR w0.254: v1(57.912,5.233) 61.103,5.233 v1(70.612,14.741)
NetD50_2: D50.2 U7.23 | length 31
  Top Layer w0.254: U7.23@40.804,5.883 v1(41.91,5.883) ; D50.2@56.388,27.208 v1(56.388,27.94)
  Bottom Layer w0.254: v1(41.91,5.883) 43.736,5.883 43.942,6.089 43.942,12.065 53.594,21.717 53.594,25.146 v1(56.388,27.94)
NetD51_2: D51.2 U8.23 | length 36.6
  Top Layer w0.254: U8.23@56.298,5.883 v1(57.404,5.883) ; D51.2@81.788,27.208 v1(81.788,27.94)
  Bottom Layer w0.254: v1(57.404,5.883) 59.152,5.883 60.96,7.691 60.96,9.806 76.046,24.892 77.724,24.892 80.772,27.94 v1(81.788,27.94)
NetD52_2: D52.2 U7.24 | length 33.8
  Top Layer w0.254: U7.24@40.804,6.533 v1(42.418,6.533) ; D52.2@56.388,31.018 v1(56.388,31.75)
  Bottom Layer w0.254: v1(42.418,6.533) 43.115,6.533 43.434,6.853 43.434,12.221 53.086,21.873 53.086,28.448 v1(56.388,31.75)
NetD53_2: D53.2 U8.24 | length 39
  Top Layer w0.254: U8.24@56.298,6.533 v1(57.912,6.533) ; D53.2@81.788,31.018 v1(81.788,31.75)
  Bottom Layer w0.254: v1(57.912,6.533) 58.857,6.533 60.452,8.128 60.452,10.16 75.692,25.4 77.47,25.4 78.74,26.67 78.74,28.702 v1(81.788,31.75)
NetD54_2: D54.2 U7.25 | length 36.6
  Top Layer w0.254: U7.25@40.804,7.183 v1(41.91,7.183) ; D54.2@56.388,34.828 v1(56.388,35.56)
  Bottom Layer w0.254: v1(41.91,7.183) 42.616,7.183 43.053,7.62 43.053,12.446 52.578,21.971 52.578,31.75 v1(56.388,35.56)
NetD55_2: D55.2 U8.25 | length 42.1
  Top Layer w0.254: U8.25@56.298,7.183 v1(57.404,7.183) ; D55.2@81.788,34.828 v1(81.788,35.56)
  Bottom Layer w0.254: v1(57.404,7.183) 58.618,7.183 59.944,8.509 59.944,10.414 75.438,25.908 77.216,25.908 78.232,26.924 78.232,32.004 v1(81.788,35.56)
NetD56_2: D56.2 U7.26 | length 50.2
  Top Layer w0.254: U7.26@40.804,7.833 v1(42.418,7.833) ; D56.2@56.388,46.295 v1(56.388,46.99)
  Bottom Layer w0.254: v1(42.418,7.833) 40.804,7.833 40.005,8.632 40.005,11.645 51.054,22.694 51.054,41.656 v1(56.388,46.99)
NetD57_2: D57.2 U8.26 | length 45.1
  Top Layer w0.203: D57.2@81.788,38.638 v1(81.788,39.37)
  Top Layer w0.254: U8.26@56.298,7.833 v1(57.912,7.833)
  Bottom Layer w0.254: v1(57.912,7.833) 58.379,7.833 59.436,8.89 59.436,10.668 75.182,26.414 76.96,26.414 77.724,27.178 77.724,35.306 v1(81.788,39.37)
NetD58_2: D58.2 U7.27 | length 44.1
  Top Layer w0.254: U7.27@40.804,8.483 v1(41.91,8.483) ; D58.2@56.388,42.448 v1(56.388,43.18)
  Bottom Layer w0.254: v1(41.91,8.483) 41.047,8.483 40.64,8.89 40.64,11.414 51.562,22.336 51.562,38.354 v1(56.388,43.18)
NetD59_2: D59.2 U8.27 | length 47.9
  Top Layer w0.254: U8.27@56.298,8.483 v1(57.404,8.483) ; D59.2@81.788,42.448 v1(81.788,43.18)
  Bottom Layer w0.254: v1(57.404,8.483) 57.98,8.483 58.928,9.431 58.928,10.922 74.899,26.893 76.423,26.893 77.216,27.686 77.216,38.608 v1(81.788,43.18)
NetD60_2: D60.2 U7.28 | length 39.9
  Top Layer w0.254: U7.28@40.804,9.133 42.407,9.133 v1(42.418,9.144) ; D60.2@56.388,38.638 v1(56.388,39.37)
  Bottom Layer w0.254: v1(42.418,9.144) 41.555,9.144 41.148,9.551 41.148,11.176 52.068,22.096 52.068,35.05 v1(56.388,39.37)